# Altium PCB MC3.PcbDoc (part 1 of 4)
Units mil, origin at the board's own origin, x right, y up, seen from the top; angles counter-clockwise.
Board outline 10260 x 7630 mil, 2 copper layers (Top Layer, Bottom Layer), stack 61.756 mil thick; 351 components, 225 nets, 961 pads, 410 vias.
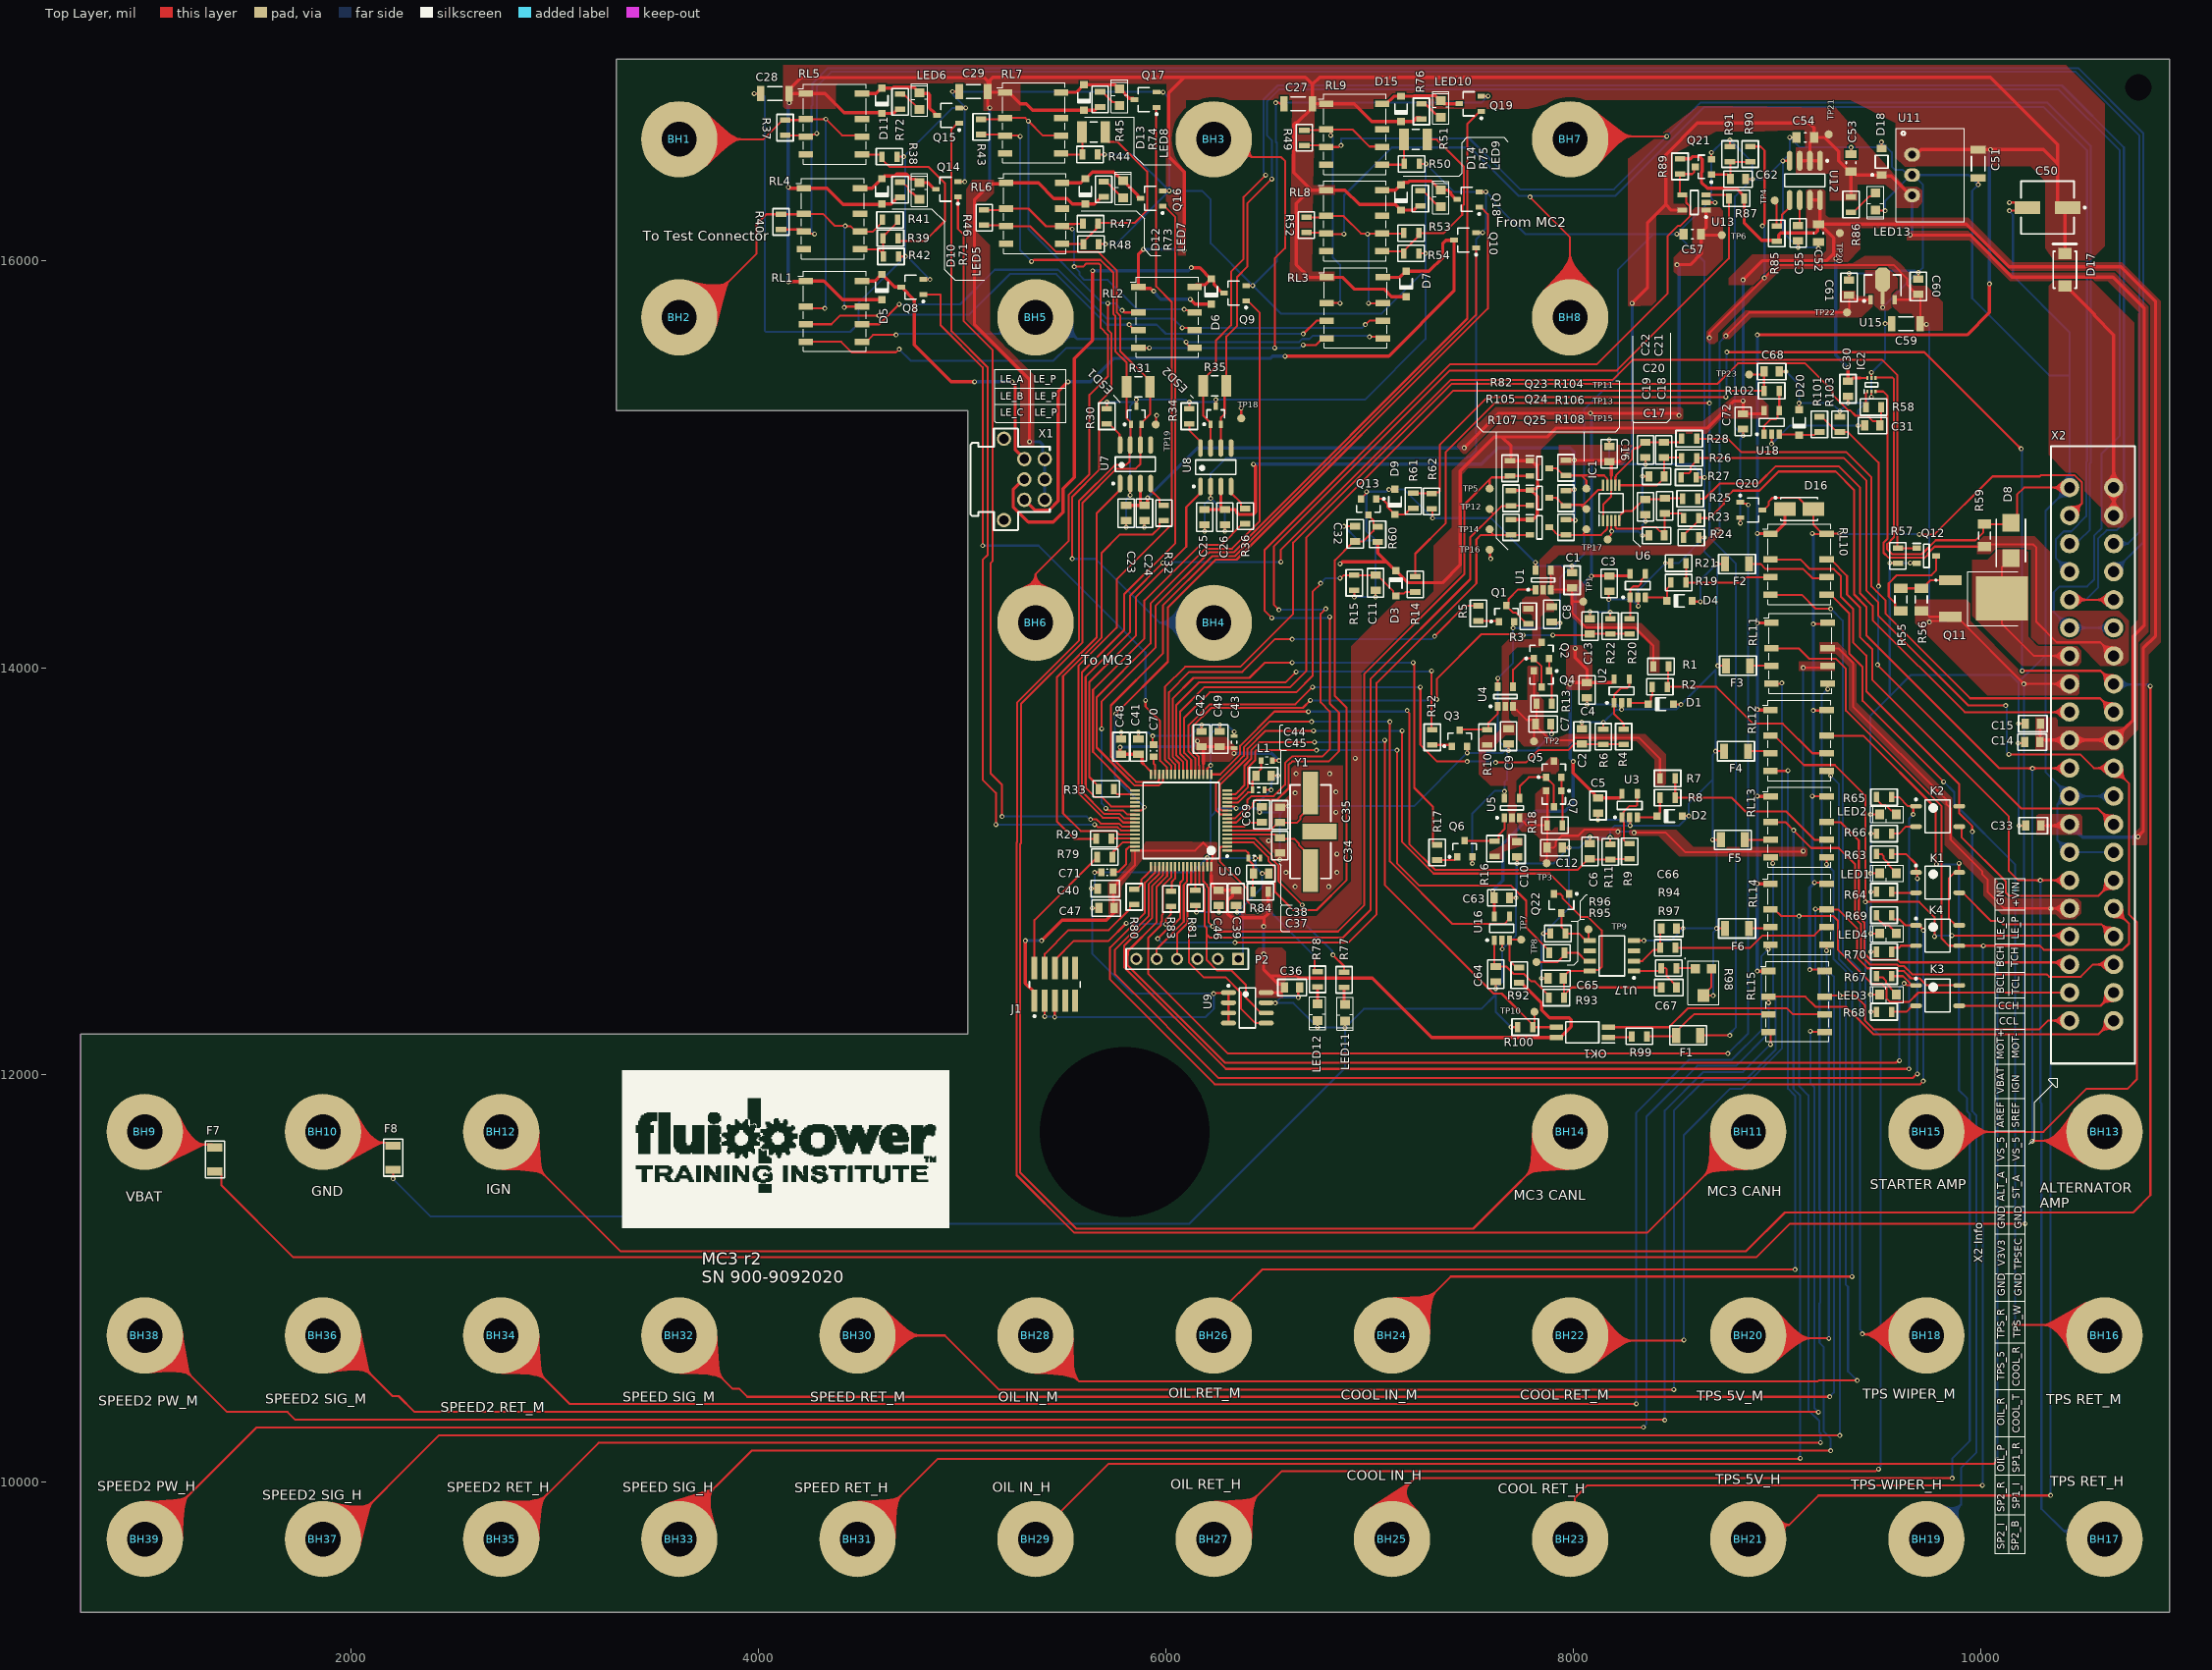
[diagram p0: Top Layer view]
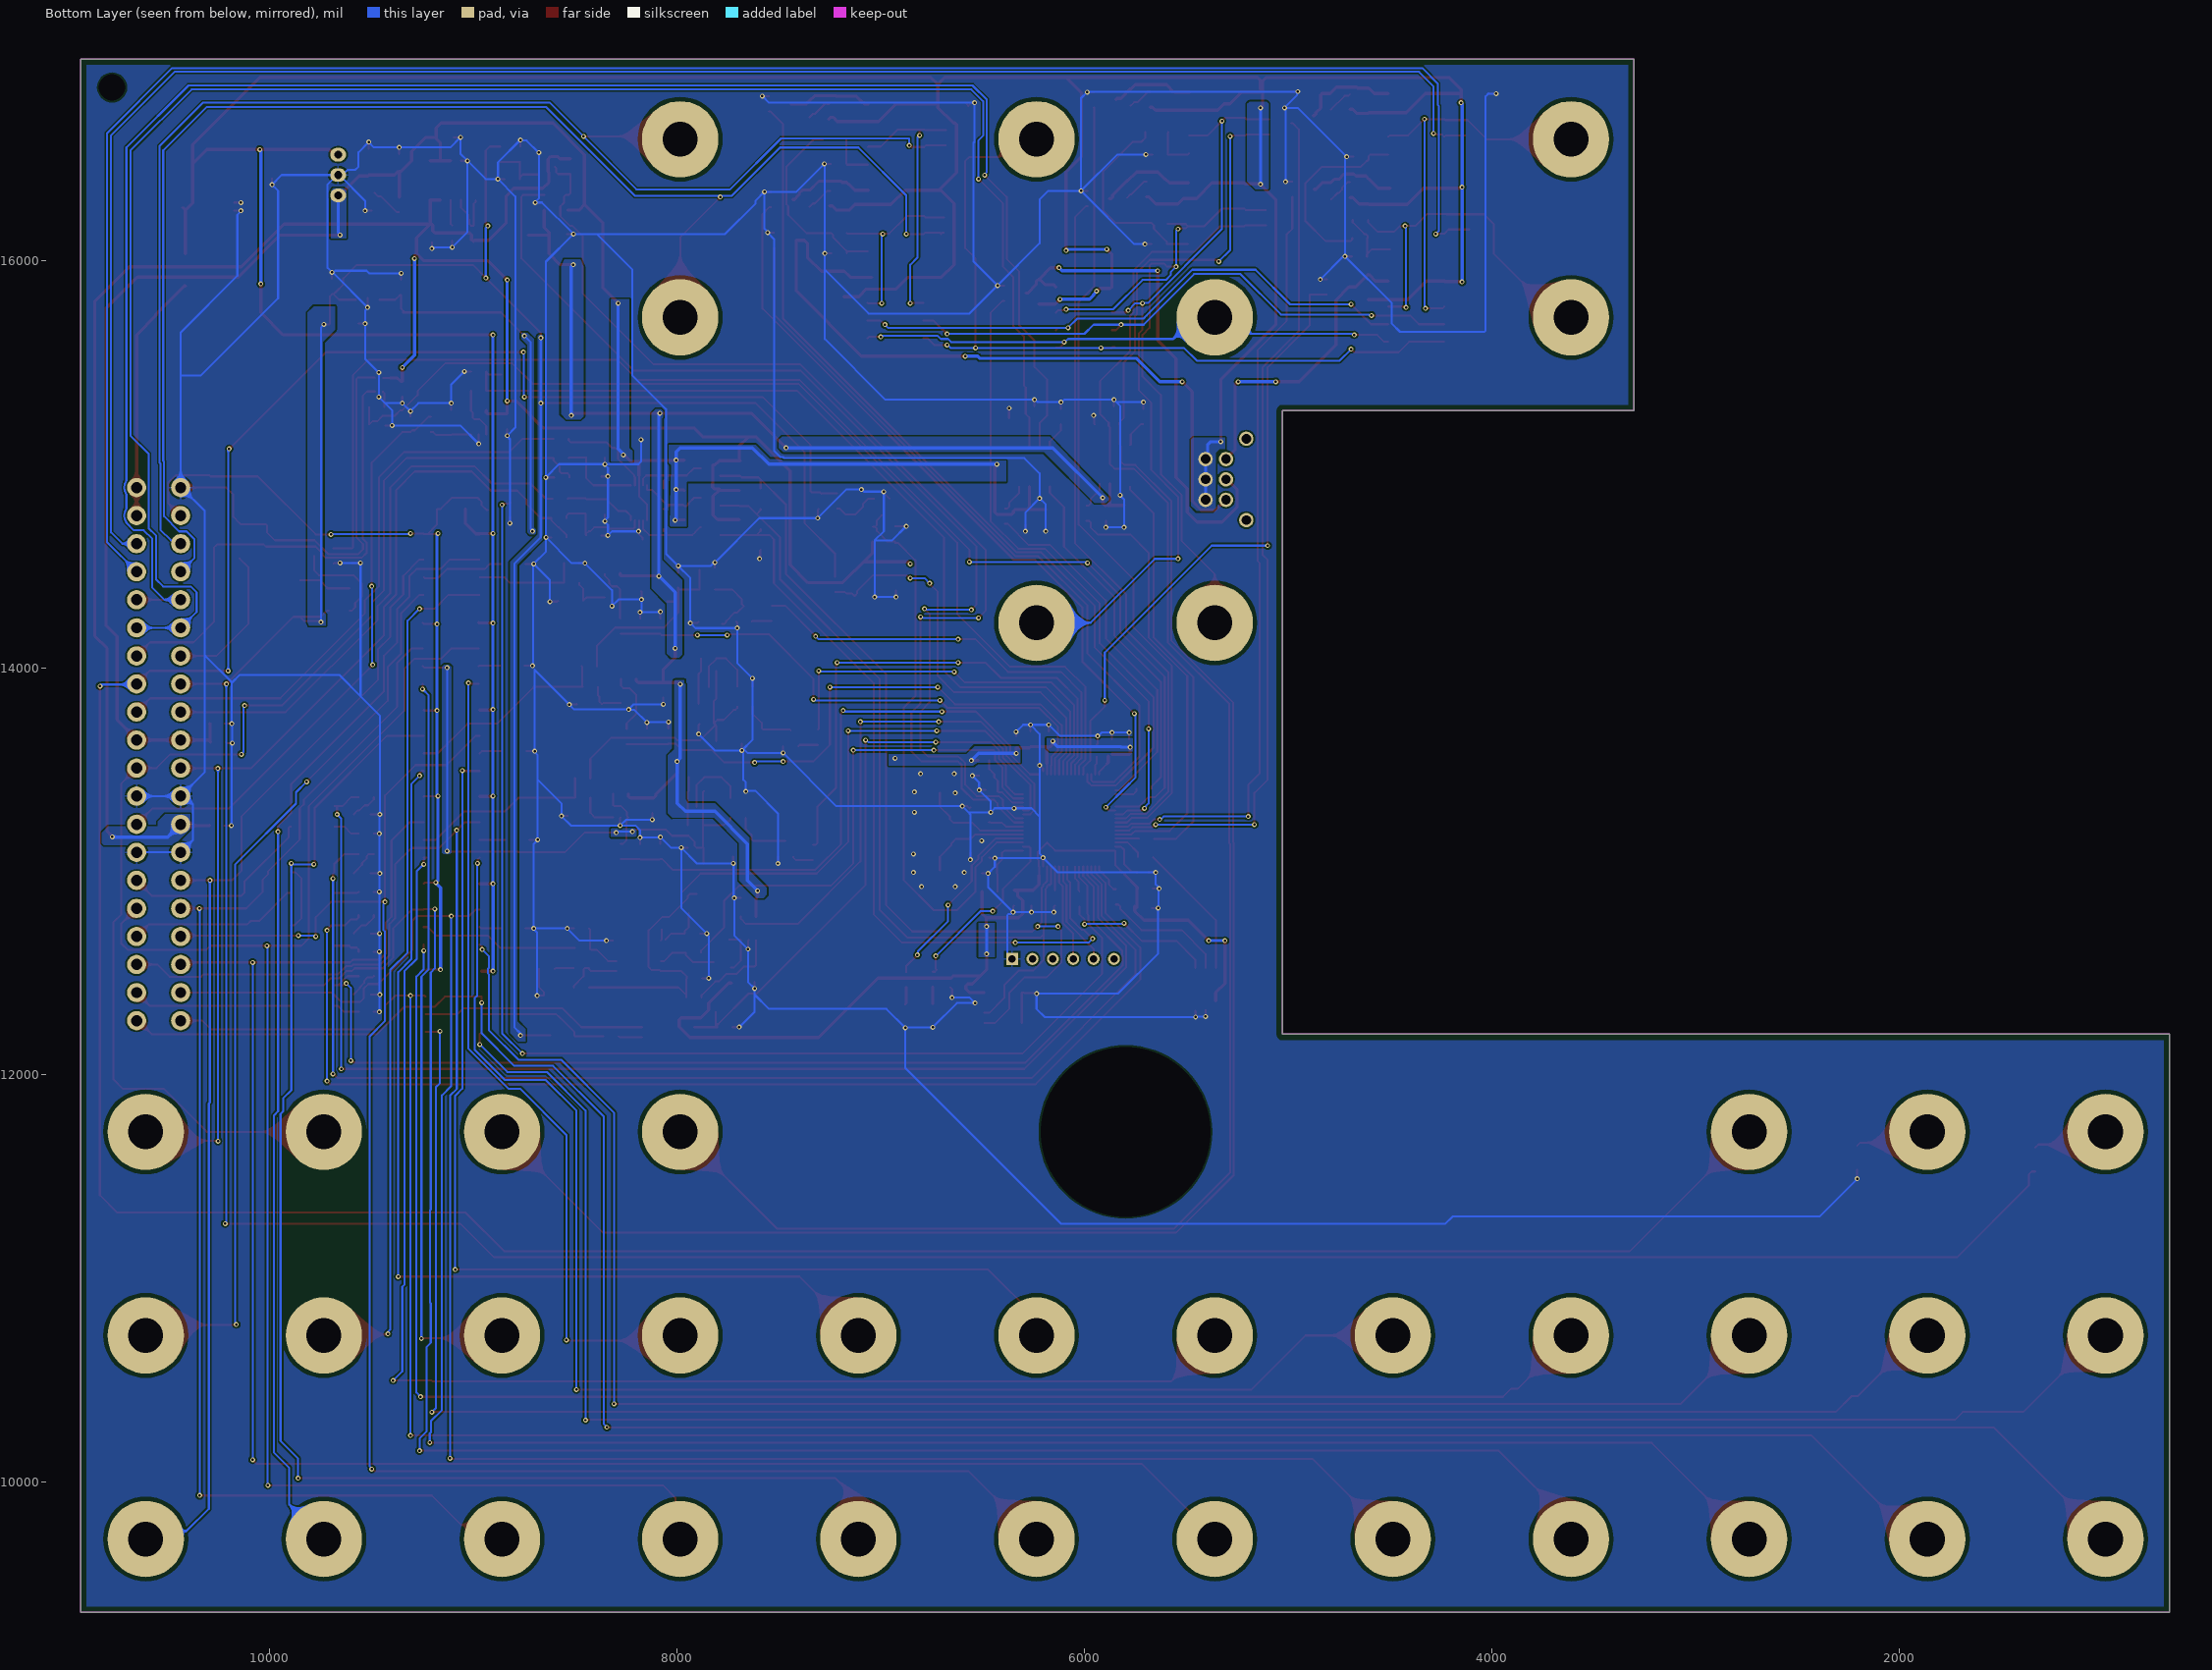
[diagram p1: Bottom Layer view, seen from below]

## Layer stack, top to bottom
Top Solder: solder mask 1, SM-001, Dk 4
Top Layer: signal copper 1.378
Dielectric 1: core 59, Core-043, Dk 4.3
Bottom Layer: signal copper 1.378
Bottom Solder: solder mask 1, SM-001, Dk 4

## Board outline
670,9360 10930,9360 10930,16990 3300,16990 3300,15261.85 5028.15,15261.85 5028.15,12200 670,12200

## Design rules (kind name [scope] priority, off if disabled: settings)
BoardOutlineClearance [OnTopLayer or OnBottomLayer] p1: gap=30 ignorepadtopadclearanceinfootprint=FALSE
Clearance Clearance_PTH_BANANA [InPadClass('PTH_BANANA')] p1: gap=20 ignorepadtopadclearanceinfootprint=TRUE
Clearance Clearance_NPTH [InPadClass('NPTH')] p2: gap=30 ignorepadtopadclearanceinfootprint=TRUE
Clearance [All] p3: gap=8 ignorepadtopadclearanceinfootprint=TRUE
HoleSize [All] p1: absolutevalues=TRUE maxlimit=1500 minlimit=1 maxpercent=80.000 minpercent=20.000
MinimumSolderMaskSliver [All] p1: minsoldermaskwidth=1
PolygonConnect PolygonConnect_VREF [InNetClass('VREF')] p1: connectstyle=Direct reliefconductorwidth=10 reliefentries=4 polygonreliefangle="90 Angle" airgapwidth=10
PolygonConnect PolygonConnectGND_REG [IsNamedPolygon('GND_L01_P034')] p2: connectstyle=Direct reliefconductorwidth=10 reliefentries=4 polygonreliefangle="90 Angle" airgapwidth=10
PolygonConnect PolygonXTALGND [IsNamedPolygon('GND_L01_P027')] p3: connectstyle=Direct reliefconductorwidth=10 reliefentries=4 polygonreliefangle="90 Angle" airgapwidth=10
PolygonConnect PolygonConnectMotor [InNetClass('MOTORPOWER') or IsNamedPolygon('GNDMOTOR')] p4: connectstyle=Direct reliefconductorwidth=10 reliefentries=4 polygonreliefangle="90 Angle" airgapwidth=10
PolygonConnect PolygonConnectViasGND [IsVia and (Net='GND')] p5: connectstyle=Direct reliefconductorwidth=10 reliefentries=4 polygonreliefangle="90 Angle" airgapwidth=10
PolygonConnect PowerConnect [InNetClass('POWER')] p6: connectstyle=Direct reliefconductorwidth=10 reliefentries=4 polygonreliefangle="90 Angle" airgapwidth=10
PolygonConnect [All] p7: connectstyle=Relief reliefconductorwidth=10 reliefentries=4 polygonreliefangle="90 Angle" airgapwidth=10
RoomDefinition RoomDefinition_1 [False vs False] p1: confinementstyle=ConfineIn formatcopy=TRUE lockcomponents=FALSE outline 8105,14945 8275,14945 8275,14660 8105,14660
RoomDefinition RoomDefinition_2 [False vs False] p2: confinementstyle=ConfineIn formatcopy=TRUE lockcomponents=FALSE outline 9410,15450 9515,15450 9515,15335 9410,15335
RoomDefinition [False] p3: confinementstyle=ConfineIn formatcopy=TRUE lockcomponents=FALSE outline 5800,13530 6355,13530 6355,12980 5800,12980
RoutingVias [All] p1: holewidth=12 width=24 viastyle="Through Hole" minholewidth=12 minwidth=24 maxholewidth=28 maxwidth=50
SilkToSilkClearance [All] p1: silktosilkclearance=4
SilkToSolderMaskClearance [IsPad] p1: minsilkscreentomaskgap=5 clearancetoexposedcopper=TRUE
SolderMaskExpansion [IsVia] p1: expansion=4 istentingtop=TRUE
Width Within_Room_10mil [WithinRoom('RoomDefinition')  or WithinRoom('RoomDefinition_1')  or WithinRoom('RoomDefinition_2')] p1: maxlimit=10 minlimit=10 preferedwidth=10
Width Power [InNetClass('POWER')] p2: maxlimit=200 minlimit=16 preferedwidth=16
Width [All] p3: maxlimit=300 minlimit=10 preferedwidth=10
26 further rules are at their usual default settings.

## Classes and differential pairs
net class VREF: +5V_COOLREF_11 +5V_OILPRESS_11 +8VREF TPS_5VREF_1 TPS_5VREF_5
net class RELAY_DRIVER: NetD10_1 NetD11_1 NetD12_1 NetD13_1 NetD14_1 NetD15_1
component class Main_Connectors: C33 PLG1 PLG2 TP16 TP17 TP18 TP19 X1 X2
component class U_TPS_secondary_wiper: C68 C72 D20 R101 R102 R103 TP23 U18
component class U_I2cLevelShifter: Q23 Q24 Q25 R82 R104 R105 R106 R107 R108 TP5 TP11 TP12 TP13 TP14 TP15
component class U_CAN2: C25 C26 ESD2 R33 R34 R35 R36 U8
net class MOTORPOWER: MOTOR+_1 MOTOR-_1 VBATT__1
component class U_DCMotorControl: C30 C31 D8 IC2 Q11 Q12 R55 R56 R57 R58 R59
channel class FaultOptoNC: U_FaultOptoNC1 U_FaultOptoNC2 U_FaultOptoNC3
component class U_FaultOptoNO: K4 LED4 R69 R70
component class U_FaultOptoNC3: K3 LED3 R67 R68
component class U_FaultOptoNC2: K2 LED2 R65 R66
component class U_FaultOptoNC1: K1 LED1 R63 R64
pad class PTH_BANANA: BH1-1 BH2-1 BH3-1 BH4-1 BH5-1 BH6-1 BH7-1 BH8-1 BH9-1 BH10-1 BH11-1 BH12-1 BH13-1 BH14-1 BH15-1 BH16-1 BH17-1 BH18-1 BH19-1 BH20-1 BH21-1 BH22-1 BH23-1 BH24-1 BH25-1 BH26-1 BH27-1 BH28-1 BH29-1 BH30-1 BH31-1 BH32-1 BH33-1 BH34-1 BH35-1 BH36-1 BH37-1 BH38-1 BH39-1
channel class RelayG6K2FY: RLA RLB RLC RLD RLE RLF
channel class FaultRelay: A1N A1P B1N B1P C1N C1P U_FaultRelayA U_FaultRelayB U_FaultRelayC U_FaultRelayD
channel class CanConnector: CONA CONB CONC
channel class CAN: U_CAN U_CANA
net class POWER: +3V3 +5V +5VSW +V24V +V24V_IN
component class "U_RPM Inputs": C63 C64 C65 C66 C67 OK1 Q22 R92 R93 R94 R95 R96 R97 R98 R99 R100 TP7 TP8 TP9 TP10 U16 U17
component class U_PowerSupply: C50 C51 C52 C53 C54 C55 C57 C59 C60 C61 C62 D17 D18 LED13 Q21 R85 R86 R87 R89 R90 R91 TP4 TP6 TP20 TP21 TP22 U11 U12 U13 U15
component class U_MC_Connector: BH16 BH17 BH18 BH19 BH20 BH21 BH22 BH23 BH24 BH25 BH26 BH27 BH28 BH29 BH30 BH31 BH32 BH33 BH34 BH35 BH36 BH37 BH38 BH39 D16 Q20
component class U_MC3_module: BH9 BH10 BH11 BH12 BH13 BH14 BH15 F1 F2 F3 F4 F5 F6 F7 F8 P2
component class U_MC3_microcontroller: C34 C35 C36 C37 C38 C39 C40 C41 C42 C43 C44 C45 C46 C47 C48 C49 C69 C70 C71 J1 L1 LED11 LED12 R77 R78 R79 R80 R81 R83 R84 U9 U10 Y1
component class U_DigitalInputs: C32 D9 Q13 R60 R61 R62
component class U_CanFaults: BH1 BH2 BH3 BH4 BH5 BH6 BH7 BH8 C27 C28 C29 R37 R38 R39 R40 R41 R42 R43 R44 R45 R46 R47 R48 R49 R50 R51 R52 R53 R54
component class U_CAN: C23 C24 ESD1 R29 R30 R31 R32 U7
component class U_AD_starter_alternator: C14 C15 C16 C17 C18 C19 C20 C21 C22 IC1 R23 R24 R25 R26 R27 R28
component class U_AD_Sensors: C1 C2 C3 C4 C5 C6 C7 C8 C9 C10 C11 C12 C13 D1 D2 D3 D4 Q1 Q2 Q3 Q4 Q5 Q6 Q7 R1 R2 R3 R4 R5 R6 R7 R8 R9 R10 R11 R12 R13 R14 R15 R16 R17 R18 R19 R20 R21 R22 TP1 TP2 TP3 U1 U2 U3 U4 U5 U6
component class RLF: RL15
component class RLE: RL14
component class RLD: RL13
component class RLC: RL12
component class RLB: RL11
component class RLA: RL10
component class CONC: D7 Q10 RL3
component class CONB: D6 Q9 RL2
component class CONA: D5 Q8 RL1
component class C1P: D15 LED10 Q19 R76 RL9
component class C1N: D14 LED9 Q18 R75 RL8
component class B1P: D13 LED8 Q17 R74 RL7
component class B1N: D12 LED7 Q16 R73 RL6
component class A1P: D11 LED6 Q15 R72 RL5
component class A1N: D10 LED5 Q14 R71 RL4

## Components (designator, comment, footprint, x,y, rotation, side; value= is the part's Value field where it differs from the comment)
BH1 "BananaHole" BananaHole 3610.25,16595.85 r0 top locked
BH2 "BananaHole" BananaHole 3610.25,15720.85 r0 top locked
BH3 "BananaHole" BananaHole 6235.25,16595.85 r0 top locked
BH4 "BananaHole" BananaHole 6235.25,14220.85 r0 top locked
BH5 "BananaHole" BananaHole 5360.25,15720.85 r0 top locked
BH6 "BananaHole" BananaHole 5360.25,14220.85 r0 top locked
BH7 "BananaHole" BananaHole 7985.25,16595.85 r0 top locked
BH8 "BananaHole" BananaHole 7985.25,15720.85 r0 top locked
BH9 "BananaHole" BananaHole 985.25,11720.85 r0 top locked (schematic designator BH33)
BH10 "BananaHole" BananaHole 1860.25,11720.85 r0 top locked (schematic designator BH34)
BH11 "BananaHole" BananaHole 8860.25,11720.85 r0 top locked (schematic designator BH35)
BH12 "BananaHole" BananaHole 2735.25,11720.85 r0 top locked (schematic designator BH36)
BH13 "BananaHole" BananaHole 10610.25,11720.85 r0 top locked (schematic designator BH37)
BH14 "BananaHole" BananaHole 7985.25,11720.85 r0 top locked (schematic designator BH39)
BH15 "BananaHole" BananaHole 9735.25,11720.85 r0 top locked (schematic designator BH38)
BH16 "BananaHole" BananaHole 10610.25,10720.85 r0 top locked (schematic designator BH9)
BH17 "BananaHole" BananaHole 10610.25,9720.85 r0 top locked (schematic designator BH10)
BH18 "BananaHole" BananaHole 9735.25,10720.85 r0 top locked (schematic designator BH11)
BH19 "BananaHole" BananaHole 9735.25,9720.85 r0 top locked (schematic designator BH12)
BH20 "BananaHole" BananaHole 8860.25,10720.85 r0 top locked (schematic designator BH13)
BH21 "BananaHole" BananaHole 8860.25,9720.85 r0 top locked (schematic designator BH14)
BH22 "BananaHole" BananaHole 7985.25,10720.85 r0 top locked (schematic designator BH15)
BH23 "BananaHole" BananaHole 7985.25,9720.85 r0 top locked (schematic designator BH16)
BH24 "BananaHole" BananaHole 7110.25,10720.85 r0 top locked (schematic designator BH17)
BH25 "BananaHole" BananaHole 7110.25,9720.85 r0 top locked (schematic designator BH18)
BH26 "BananaHole" BananaHole 6235.25,10720.85 r0 top locked (schematic designator BH19)
BH27 "BananaHole" BananaHole 6235.25,9720.85 r0 top locked (schematic designator BH20)
BH28 "BananaHole" BananaHole 5360.25,10720.85 r0 top locked (schematic designator BH21)
BH29 "BananaHole" BananaHole 5360.25,9720.85 r0 top locked (schematic designator BH22)
BH30 "BananaHole" BananaHole 4485.25,10720.85 r0 top locked (schematic designator BH23)
BH31 "BananaHole" BananaHole 4485.25,9720.85 r0 top locked (schematic designator BH24)
BH32 "BananaHole" BananaHole 3610.25,10720.85 r0 top locked (schematic designator BH25)
BH33 "BananaHole" BananaHole 3610.25,9720.85 r0 top locked (schematic designator BH26)
BH34 "BananaHole" BananaHole 2735.25,10720.85 r0 top locked (schematic designator BH27)
BH35 "BananaHole" BananaHole 2735.25,9720.85 r0 top locked (schematic designator BH28)
BH36 "BananaHole" BananaHole 1860.25,10720.85 r0 top locked (schematic designator BH29)
BH37 "BananaHole" BananaHole 1860.25,9720.85 r0 top locked (schematic designator BH30)
BH38 "BananaHole" BananaHole 985.25,10720.85 r0 top locked (schematic designator BH31)
BH39 "BananaHole" BananaHole 985.25,9720.85 r0 top locked (schematic designator BH32)
C1 "0.1uF" C0805 7995,14430 r90 top (schematic designator C31)
C2 "10nF" C0805 8043.23,13663.59 r90 top (schematic designator C32)
C3 "0.1uF" C0805 8177.6,14413.91 r270 top (schematic designator C33)
C4 "0.1uF" C0805 8068.23,13890.64 r270 top (schematic designator C34)
C5 "0.1uF" C0805 8122.6,13323.59 r270 top (schematic designator C35)
C6 "10nF" C0805 8082.6,13098.59 r90 top (schematic designator C36)
C7 "0.1uF" C0805 7852.68,13723.67 r0 top (schematic designator C37)
C8 "0.1uF" C0805 7895,14262.6 r270 top (schematic designator C38)
C9 "0.1uF" C0805 7682.68,13663.67 r270 top (schematic designator C39)
C10 "0.1uF" C0805 7725,13109.09 r270 top (schematic designator C40)
C11 "0.1uF" C0805 7030,14417.6 r270 top (schematic designator C41)
C12 "0.1uF" C0805 7910,13116.5 r0 top (schematic designator C42)
C13 "10nF" C0805 8082.6,14203.91 r90 top (schematic designator C43)
C14 "10uF 16V" C0805 10255,13635 r180 top (schematic designator C17)
C15 "10uF 16V" C0805 10257.6,13725 r180 top (schematic designator C18)
C16 "0.1uF" C0805 8177.4,15050 r90 top (schematic designator C19)
C17 "10nF" C0805 8410,14650 r0 top (schematic designator C20)
C18 "220nF 25V" C0805 8450,14795 r270 top (schematic designator C21)
C19 "10nF" C0805 8355,14790 r270 top (schematic designator C22)
C20 "10nF" C0805 8410,14940 r0 top (schematic designator C23)
C21 "220nF 25V" C0805 8445,15070 r270 top (schematic designator C24)
C22 "10nF" C0805 8355,15070 r270 top (schematic designator C25)
C23 "10nF" C0805 5805,14759.57 r90 top (schematic designator C12)
C24 "0.1uF" C0805 5895,14759.57 r90 top (schematic designator C13)
C25 "10nF" C0805 6190,14740 r90 top (schematic designator C12)
C26 "0.1uF" C0805 6290,14740 r90 top (schematic designator C13)
C27 "10UF 50V 1206" CAPC3216X180X20ML20 6650.12,16770 r0 top (schematic designator C14)
C28 "10UF 50V 1206" CAPC3216X180X20ML20 4080,16820 r0 top (schematic designator C15)
C29 "10UF 50V 1206" CAPC3216X180X20ML20 5055,16830 r0 top (schematic designator C16)
C30 "0.1uF" C0805 9350,15370 r270 top (schematic designator C68)
C31 "0.1uF" C0805 9470,15190 r180 top (schematic designator C69)
C32 "10nF" C0805 6930,14657.6 r90 top (schematic designator C57)
C33 "0.1uF" C0805 10260,13225 r180 top (schematic designator C3)
C34 "20pF" C0805 6560,13127.4 r270 top (schematic designator C7)
C35 "20pF" C0805 6560,13277.2 r90 top (schematic designator C6)
C36 "0.1uF" C0805 6620,12430 r0 top (schematic designator C9)
C37 "0.1uF" C0805 6467.4,12989.8 r0 top (schematic designator C4)
C38 "1UF 10V" CAPC1608X90X20LL10 6434.53,13064.8 r0 top (schematic designator C5)
C39 "0.1uF" C0805 6345,12870 r270 top (schematic designator C1)
C40 "0.1uF" C0805 5702.6,12915 r180 top (schematic designator C10)
C41 "0.1uF" C0805 5865,13612.4 r90 top (schematic designator C11)
C42 "0.1uF" C0805 6175,13650 r90 top (schematic designator C58)
C43 "4.7UF 6.3V" CAPC1608X90X20LL10 6335,13635 r90 top (schematic designator C59)
C44 "0.1uF" C0805 6480,13469.8 r0 top (schematic designator C8)
C45 "1UF 10V" CAPC1608X90X20LL10 6455,13399.8 r0 top (schematic designator C60)
C46 "10nF" C0805 6260,12870 r270 top (schematic designator C2)
C47 "10nF" C0805 5707.6,12820 r180 top (schematic designator C61)
C48 "10nF" C0805 5780,13612.4 r90 top (schematic designator C62)
C49 "10nF" C0805 6265,13650 r90 top (schematic designator C63)
C50 "47UF 50V" PNSC-EEE-HA1H470XP-2_V 10330,16260 r270 top (schematic designator C44)
C51 "10UF 50V 1206" CAPC3216X180X20ML20 9990,16475 r90 top (schematic designator C45)
C52 "10UF 16V 0805" CAPC2012X14M 9205,16135 r90 top (schematic designator C46)
C53 "10UF 16V 0805" CAPC2012X14M 9365,16480 r270 top (schematic designator C47)
C54 "10UF 16V 0805" CAPC2012X14M 9140,16605 r0 top (schematic designator C48)
C55 "1000pF" C0805 9105,16135 r90 top (schematic designator C49)
C57 "10UF 16V 0805" CAPC2012X14M 8585.32,16130 r0 top (schematic designator C51)
C59 "10UF 50V 1206" CAPC3216X180X20ML20 9635,15690 r0 top (schematic designator C53)
C60 "0.1uF" C0805 9695,15872.09 r90 top (schematic designator C54)
C61 "0.1uF" C0805 9355,15867.4 r90 top (schematic designator C55)
C62 "0.1uF" C0805 8810,16400 r0 top (schematic designator C56)
C63 "10uF 16V" C0805 7650,12870 r0 top (schematic designator C26)
C64 "10uF 16V" C0805 7620,12495 r270 top (schematic designator C27)
C65 "220nF 25V" C0805 7915,12475 r0 top (schematic designator C28)
C66 "22nF 50V" C0805 8470,12720 r180 top (schematic designator C29)
C67 "22nF 50V" C0805 8470,12430 r180 top (schematic designator C30)
C68 "10nF" C0805 8975,15455 r0 top (schematic designator C64)
C69 "0.1uF" C0805 6470.63,13279.17 r90 top (schematic designator C65)
C70 "2.2UF 16V" CAPC1608X09M 5940,13592.87 r90 top (schematic designator C66)
C71 "2.2UF 16V" CAPC1608X09M 5712.6,12995 r180 top (schematic designator C67)
C72 "0.1uF" C0805 8835,15210 r270 top (schematic designator C70)
D1 "1N4148W-7-F" DIOD-SOD123-2_V 8431.22,13821.19 r180 top (schematic designator D5)
D2 "1N4148W-7-F" DIOD-SOD123-2_V 8474.06,13272.06 r180 top (schematic designator D6)
D3 "1N4148W-7-F" DIOD-SOD123-2_V 7129.02,14414.61 r90 top (schematic designator D7)
D4 "1N4148W-7-F" DIOD-SOD123-2_V 8522.6,14328.91 r180 top (schematic designator D8)
D5 "1N4148W-7-F" DIOD-SOD123-2_V 4605,15870 r270 top (schematic designator D2)
D6 "1N4148W-7-F" DIOD-SOD123-2_V 6222.8,15847.99 r270 top (schematic designator D2)
D7 "1N4148W-7-F" DIOD-SOD123-2_V 7180,15885 r270 top (schematic designator D2)
D8 "SCHOTTKY 3A SMB" DIOM5436X265N 10150,14625 r90 top (schematic designator D12)